# Allegro board AB9.brd (continued)
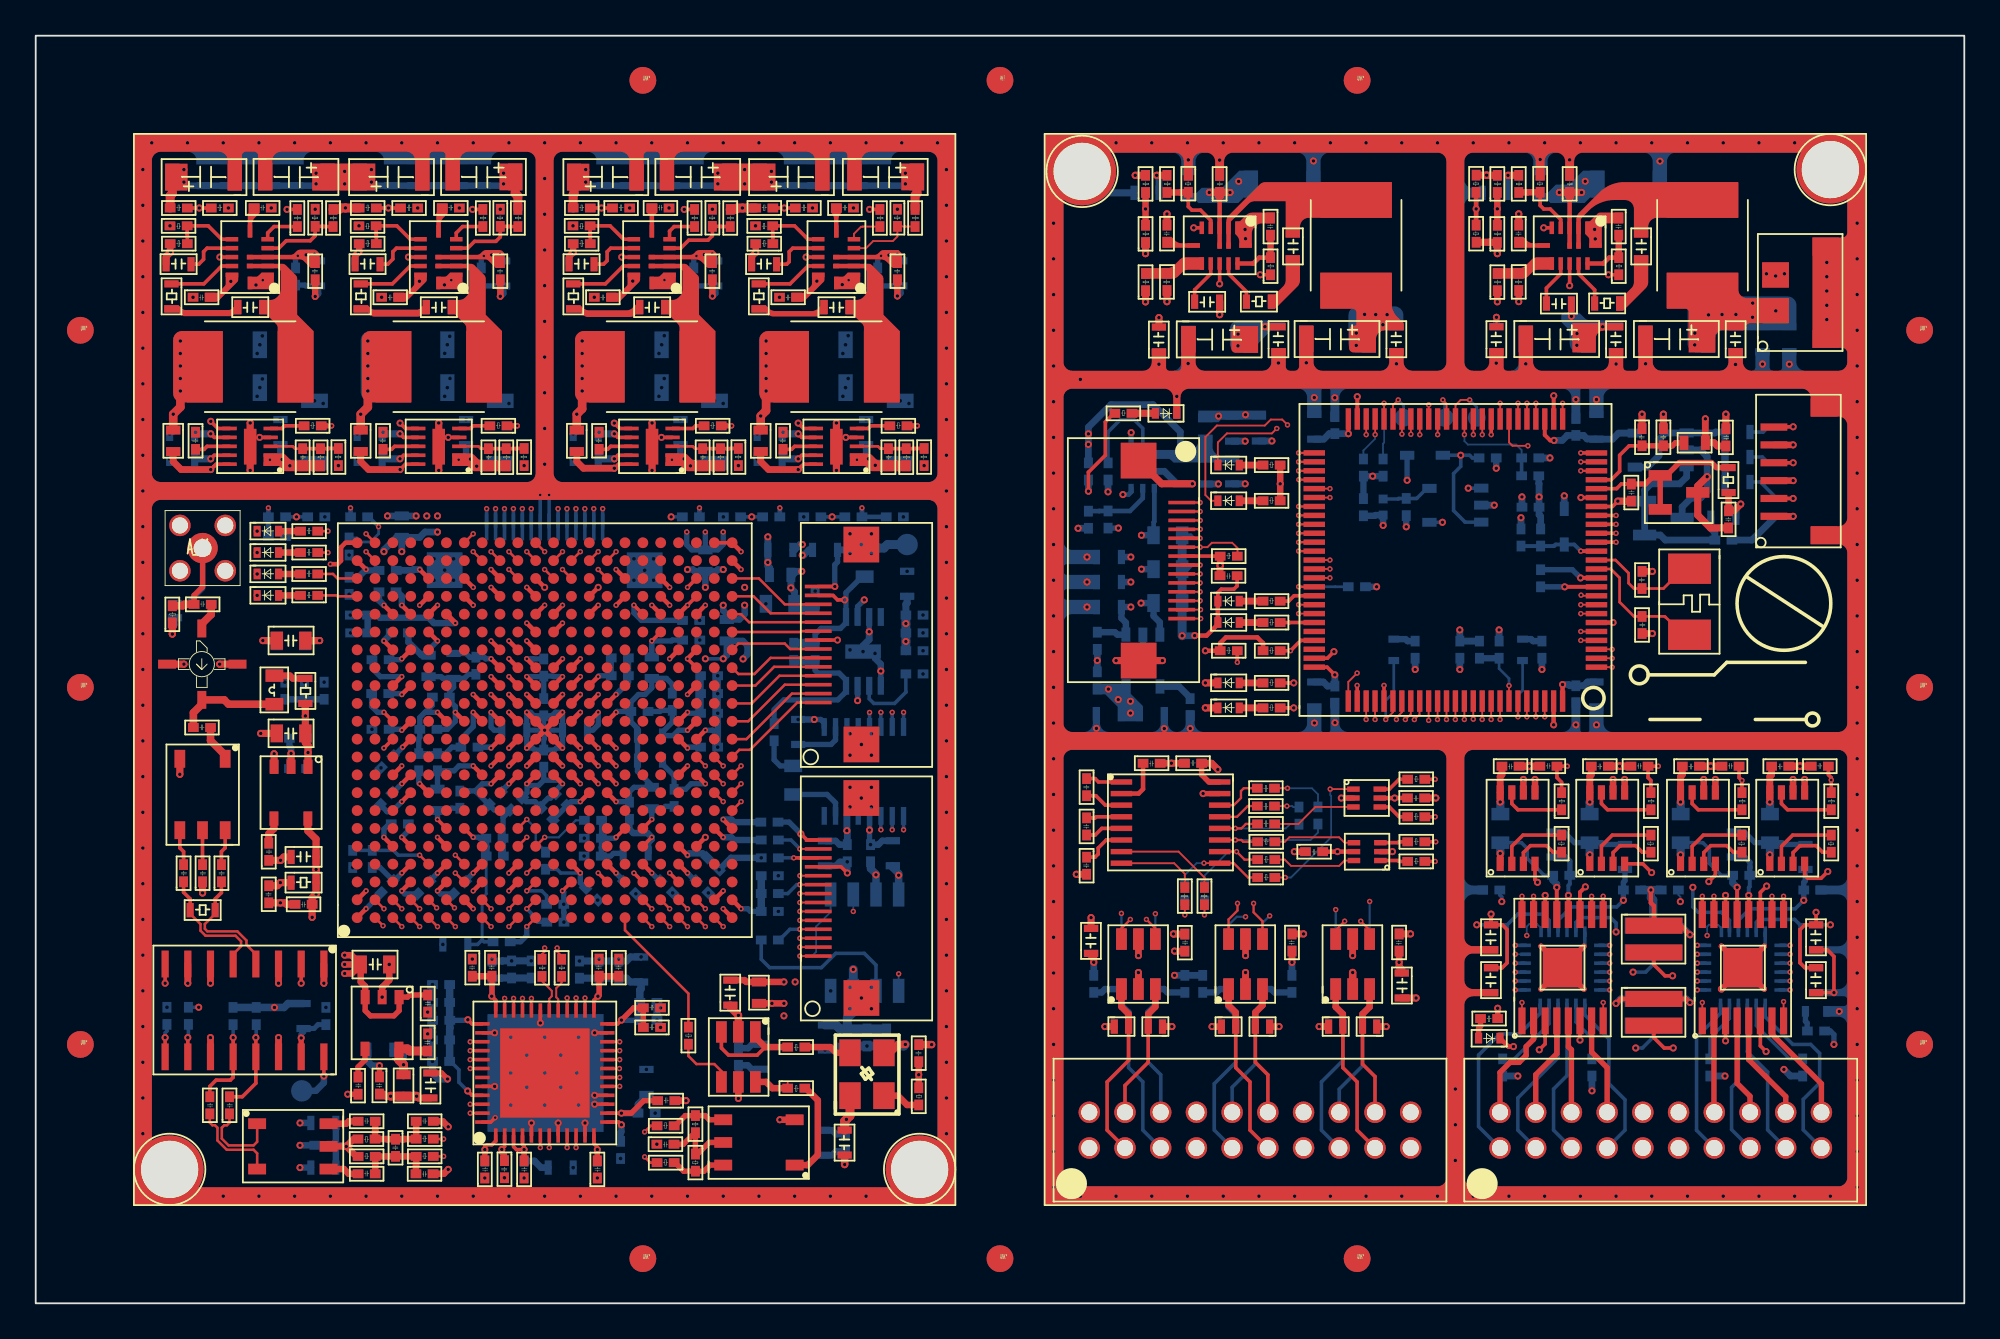
[diagram p0: board, top side]
## Placement (name value [footprint] x y rotation side) (continued)
B_C49  0.1uF  [C0402]  76.1 20.7 270 top
B_C50  2.2uF  [C0603]  81.9 17.3 90 top
B_C51  2.2uF  [C0603]  100.1 17.3 90 top
B_C52  10uF  [C0603]  76.1 18.6 270 top
B_C53  22uF/50V  [C1206]  90.8 61.9 180 bottom
B_C54  0.1uF/50V  [C0603]  84.66 63.49 270 bottom
B_C55  22uF/50V  [C1206]  71.4 61.9 180 bottom
B_C56  0.1uF/50V  [C0603]  64.95 63.49 270 bottom
B_C57  0.1uF/25V  [C0603]  80.9 62.6 0 bottom
B_C58  0.1uF/25V  [C0603]  61.4 62.6 0 bottom
B_C59  0.1uF/25V  [C0603]  97.8 53.2 90 bottom
B_C60  0.1uF/25V  [C0603]  96.3 53.2 90 bottom
B_C61  0.1uF/25V  [C0603]  94.79 53.2 90 bottom
B_C62  22uF/25V  [C1206]  90.3 54.79 0 bottom
B_C63  0.1uF/25V  [C0603]  88.1 53.2 90 bottom
B_C64  22uF/25V  [C1206]  83.6 54.79 0 bottom
B_C65  0.1uF/25V  [C0603]  75.79 53.2 90 bottom
B_C66  22uF/25V  [C1206]  71.3 54.79 0 bottom
B_C67  0.1uF/25V  [C0603]  69.19 53.2 90 bottom
B_C68  22uF/25V  [C1206]  64.7 54.79 0 bottom
B_C69  0.1uF/25V  [C0603]  81.4 53.2 90 bottom
B_C70  0.1uF  [C0402]  72.5 48.7 90 bottom
B_C71  10uF  [C0603]  87 48.3 90 bottom
B_C72  10uF  [C0603]  71.2 48.3 90 bottom
B_C73  0.1uF  [C0402]  86 48.6 90 bottom
B_C74  0.1uF/25V  [C0603]  68.1 48.2 90 bottom
B_C75  0.1uF/25V  [C0603]  66.6 48.19 90 bottom
B_C76  0.1uF  [C0402]  81.8 47.1 180 bottom
B_C77  10uF  [C0603]  66.6 45.8 90 bottom
B_C78  10uF  [C0603]  65.1 45.79 90 bottom
B_C79  0.1uF  [C0603]  64.5 47.4 270 bottom
B_C80  0.1uF  [C0402]  77 45.09 270 bottom
B_C81  0.1uF  [C0402]  74.1 44.1 90 bottom
B_C82  0.1uF  [C0402]  84.2 44.34 180 bottom
B_C83  10uF  [C0805]  64.4 42.4 180 bottom
B_C84  0.1uF  [C0402]  83.42 43.38 270 bottom
B_C85  0.1uF  [C0402]  95 42.5 180 bottom
B_C86  10uF  [C0603]  59.3 42.2 0 bottom
B_C87  10uF  [C0805]  64.4 40.5 180 bottom
B_C88  0.1uF  [C0402]  84.53 41.1 270 bottom
B_C89  10uF  [C0603]  59.3 40.8 0 bottom
B_C90  10uF  [C0805]  64.4 38.6 180 bottom
B_C91  1uF  [C0603]  60.9 38.6 180 bottom
B_C92  0.1uF  [C0402]  59.7 37.6 270 bottom
B_C93  0.1uF  [C0402]  80 37.1 270 bottom
B_C94  0.1uF  [C0402]  59.2 34.4 90 bottom
B_C95  0.1uF  [C0402]  86.5 34.6 270 bottom
B_C96  10uF  [C0603]  87.8 34.9 270 bottom
B_C97  0.1uF  [C0402]  72.5 33.6 90 bottom
B_C98  10uF  [C0603]  72 34.9 270 bottom
B_C99  0.01uF  [C0402]  64.4 32.9 90 bottom
B_C100  1uF  [C0603]  61.7 33.4 0 bottom
B_C101  1uF  [C0603]  60.9 32.6 180 bottom
B_C102  0.1uF  [C0402]  65.3 30 180 bottom
B_C103  10uF  [C0805]  96.5 25.6 90 bottom
B_C104  10uF  [C0805]  91.5 25.6 90 bottom
B_C105  10uF  [C0805]  86.4 25.6 90 bottom
B_C106  10uF  [C0805]  81.4 25.6 90 bottom
B_C107  4.7uF  [C0603]  94.7 24.9 90 bottom
B_C108  4.7uF  [C0603]  84.6 24.9 90 bottom
B_C109  10uF  [C0603]  98.7 24.2 90 bottom
B_C110  10uF  [C0603]  88.6 24.2 90 bottom
B_C111  0.1uF  [C0402]  96 23.72 180 bottom
B_C112  0.1uF  [C0402]  85.92 23.72 180 bottom
B_C113  0.1uF  [C0402]  99 23.4 0 bottom
B_C114  0.1uF  [C0402]  88.9 23.4 0 bottom
B_C115  2.2uF  [C0603]  100.1 21.3 270 bottom
B_C116  2.2uF  [C0603]  81.9 21.3 270 bottom
B_C117  10uF  [C0603]  58.7 19.5 90 bottom
B_C118  0.1uF  [C0402]  76.6 20.7 270 bottom
B_C119  0.1uF  [C0402]  70.6 20.7 270 bottom
B_C120  0.1uF  [C0402]  64.6 20.7 270 bottom
B_C121  2.2uF  [C0603]  100.1 18.9 270 bottom
B_C122  2.2uF  [C0603]  81.9 18.9 270 bottom
B_C123  10uF  [C0603]  76.9 18.6 270 bottom
B_D1  BLUE  [LED0402]  63.8 50.1 180 top
B_D2  LED  [LED0402]  66.3 46.7 0 top
B_D3  LED  [LED0402]  66.3 44.7 0 top
B_D4  LED  [LED0402]  66.3 39.08 0 top
B_D5  LED  [LED0402]  66.3 37.88 0 top
B_D6  LED  [LED0402]  66.3 34.5 0 top
B_D7  LED  [LED0402]  66.3 33.1 0 top
B_D8  ESD5451X  [DF1006]  60.3 15.2 0 top
B_D9  ESD5451X  [DF1006]  63.2 15.8 180 top
B_D10  ESD5451X  [DF1006]  66.3 15.2 0 top
B_D11  ESD5451X  [DF1006]  69.2 15.8 180 top
B_D12  ESD5451X  [DF1006]  72.3 15.2 0 top
B_D13  ESD5451X  [DF1006]  75.2 15.8 180 top
B_D14  BLUE  [LED0402]  81.9 15.1 180 top
B_D15  1N4148WT  [SOD-523F]  78.8 47.5 90 bottom
B_D16  1N4148WT  [SOD-523F]  85.6 44.5 180 bottom
B_D17  LED  [LED0402]  83.01 36.1 90 bottom
B_D18  LED  [LED0402]  75.8 36.1 90 bottom
B_D19  BLUE  [LED0402]  100.2 16.1 180 bottom
B_D20  ESD5451X  [DF1006]  75.2 15.2 180 bottom
B_D21  ESD5451X  [DF1006]  72.3 15.8 0 bottom
B_D22  ESD5451X  [DF1006]  69.2 15.2 180 bottom
B_D23  ESD5451X  [DF1006]  66.3 15.8 0 bottom
B_D24  ESD5451X  [DF1006]  63.2 15.2 180 bottom
B_D25  ESD5451X  [DF1006]  60.3 15.8 0 bottom
B_J1  HEADER-1X4  [SH1D0-SMD-VER-4P]  100.9 53.6 90 top
B_J2  HEADER1x6  [SH1D0-SMD-VER-6P]  100.8 42.6 90 top
B_J3  FPC-14P-0.5  [FPC-14P-0D5]  60.7 41.6 270 top
B_J4  CONNECTOR-2X10P  [PHB2D0MM-2X10P-VER]  59 10.7 0 top
B_J5  CONNECTOR-2X10P  [PHB2D0MM-2X10P-VER]  82 10.7 0 top
B_L1  4.7uH/2A  [CD54-IND-2P]  71.4 61.8 270 top
B_L2  4.7uH/2A  [CD54-IND-2P]  90.8 61.8 270 top
B_L3  BLM18SP102SN1D  [FB0603]  93.7 48.6 180 top
B_L4  BLM18SP102SN1D  [FB0603]  65.9 49.8 270 bottom
B_L5  MPZ1005D330ET000  [FB0402]  75.69 45.1 270 bottom
B_R1  100K  [R0402]  62.4 62.21 90 top
B_R2  DNP  [R0402]  63.6 62.21 90 top
B_R3  787K  [R0402]  64.3 63.2 270 top
B_R4  68K  [R0402]  80.41 63.2 270 top
B_R5  100K  [R0402]  82.1 62.21 90 top
B_R6  DNP  [R0402]  83.3 62.21 90 top
B_R7  499K  [R0402]  84 63.2 270 top
B_R8  DNP  [R0402]  62.4 59.41 90 top
B_R9  12K  [R0402]  80.41 60.4 270 top
B_R10  DNP  [R0402]  82.1 59.41 90 top
B_R11  100K  [R0402]  69.4 57.6 90 top
B_R12  100K  [R0402]  88.9 57.6 90 top
B_R13  40.2K  [R0402]  62.4 56.71 90 top
B_R14  294K  [R0402]  63.1 57.7 270 top
B_R15  40.2K  [R0402]  82.1 56.71 90 top
B_R16  182K  [R0402]  82.8 57.7 270 top
B_R17  0  [R0603]  67.7 55.7 0 top
B_R18  0  [R0603]  87.2 55.6 0 top
B_R19  4.7K  [R0402]  61.4 50.1 180 top
B_R20  1K  [R0402]  69.7 47.2 180 top
B_R21  560  [R0603]  95.2 45.31 90 top
B_R22  1K  [R0402]  69.7 45.2 180 top
B_R23  10K  [R0402]  67.3 42.1 180 top
B_R24  1K  [R0402]  69.7 39.58 180 top
B_R25  1K  [R0402]  69.7 38.38 180 top
B_R26  10K  [R0402]  67.3 36.8 180 top
B_R27  10K  [R0402]  69.7 36.8 180 top
B_R28  1K  [R0402]  69.7 35 180 top
B_R29  1K  [R0402]  69.7 33.6 180 top
B_R30  33  [R0402]  77.8 29.6 180 top
B_R31  DNP  [R0402]  68.4 28.6 0 top
B_R32  10  [R0402]  85.7 27.63 90 top
B_R33  10  [R0402]  90.7 27.63 90 top
B_R34  10  [R0402]  95.8 27.63 90 top
B_R35  10  [R0402]  100.8 27.63 90 top
B_R36  0  [R0402]  68.4 27.6 0 top
B_R37  33  [R0402]  77.8 27.5 180 top
B_R38  DNP  [R0402]  69.39 27.1 180 top
B_R39  DNP  [R0402]  69.4 26.1 180 top
B_R40  33  [R0402]  77.8 26.1 180 top
B_R41  2.05K,1%  [R0402]  85.2 26.23 270 top
B_R42  2.05K,1%  [R0402]  90.2 26.23 270 top
B_R43  2.05K,1%  [R0402]  95.3 26.23 270 top
B_R44  2.05K,1%  [R0402]  100.3 26.23 270 top
B_R45  DNP  [R0402]  69.4 25.1 180 top
B_R46  33  [R0402]  77.8 25 180 top
B_R47  DNP  [R0402]  69.4 24.1 180 top
B_R48  DNP  [R0402]  64.1 23.3 270 top
B_R49  0  [R0402]  65.2 23.3 270 top
B_R50  0.47  [R3216]  89 19.2 0 top
B_R51  0.47  [R3216]  89 15.1 0 top
B_R52  6.8K  [R0402]  80.9 15.7 0 top
B_R53  1K,1%  [R0603]  94.5 49.2 0 bottom
B_R54  1K,1%  [R0603]  94.5 47.8 0 bottom
B_R55  0  [R0402]  83.2 47.6 0 bottom
B_R56  10K  [R0402]  75.7 47.3 270 bottom
B_R57  10K  [R0402]  74.6 47.3 270 bottom
B_R58  51.1K  [R0402]  59.8 46.1 90 bottom
B_R59  DNP  [R0402]  58.7 46.1 90 bottom
B_R60  DNP  [R0402]  83.2 46.6 0 bottom
B_R61  1K,1%  [R0603]  94.5 46.4 0 bottom
B_R62  560  [R0603]  95.31 43.6 180 bottom
B_R63  51.1K  [R0402]  60.3 44.39 270 bottom
B_R64  40.2K  [R0402]  58.7 43.4 90 bottom
B_R65  10K  [R0402]  84.53 43.38 270 bottom
B_R66  10K  [R0402]  73.49 40.38 0 bottom
B_R67  1K  [R0402]  84.6 37.1 270 bottom
B_R68  0  [R0402]  82.2 37.1 270 bottom
B_R69  DNP  [R0402]  81.1 37.1 270 bottom
B_R70  1K  [R0402]  77.5 37.1 270 bottom
B_R71  0  [R0402]  72.06 27.82 270 bottom
B_R72  0  [R0402]  70.5 26.83 90 bottom
B_R73  0  [R0402]  92 22.9 180 bottom
B_R74  0  [R0402]  82 22.9 180 bottom
B_R75  0  [R0402]  65.21 22.52 90 bottom
B_R76  0  [R0402]  64.59 23.51 270 bottom
B_R77  0.47  [R3216]  92.2 19.2 180 bottom
B_R78  10K  [R0402]  70.1 17.4 90 bottom
B_R79  10K  [R0402]  65.1 17.4 90 bottom
B_R80  10K  [R0402]  64.1 17.4 90 bottom
B_R81  10K  [R0402]  59 17.4 90 bottom
B_R82  0.47  [R3216]  92.2 15.1 180 bottom
B_R83  6.8K  [R0402]  99.2 15.5 0 bottom
B_R84  0  [R0402]  99.2 13.7 270 bottom
B_R85  0  [R0402]  94 13.7 270 bottom
B_R86  0  [R0402]  87.4 13.7 270 bottom
B_R87  0  [R0402]  82.4 13.7 270 bottom
B_TP1  T POINT R  [SCREW-M3]  100.5 63.5 0 top
B_TP2  T POINT R  [SCREW-M3]  58.6 63.4 0 top
B_TP5  T POINT R  [TP_SMD_CIR_1D0]  80.7 49.6 180 bottom
B_TP6  T POINT R  [TP_SMD_CIR_1D0]  76.6 49.6 180 bottom
B_TP7  T POINT R  [TP_SMD_CIR_1D0]  78.9 49.6 180 bottom
B_U1  MP2326GD  [QFN-14]  66.3 59.25 270 top
B_U2  MP2326GD  [QFN-14]  85.9 59.25 270 top
B_U3  TL431AIDBZT  [SOT-23-3]  90.67 43.9 0 top
B_U4  STM32F103VET6  [LQFP-100]  79.5 41.63 90 top
B_U5  SN74LVC2G34DRL  [SOT-6]  73.79 28.8 0 top
B_U6  SP3232EEY  [TSSOP-16]  66.3 29.2 270 top
B_U7  AD8226ARMZ  [MSOP-8]  81.38 24.03 0 top
B_U8  AD8226ARMZ  [MSOP-8]  86.4 24.03 0 top
B_U9  AD8226ARMZ  [MSOP-8]  91.48 24.03 0 top
B_U10  AD8226ARMZ  [MSOP-8]  96.48 24.03 0 top
B_U11  SN74LVC2G34DRL  [SOT-6]  75.3 24.8 180 top
B_U12  SN74LVC2G34DBVR  [SOT-23-6]  60.8 17.6 90 top
B_U13  SN74LVC2G34DBVR  [SOT-23-6]  66.8 17.6 90 top
B_U14  SN74LVC2G34DBVR  [SOT-23-6]  72.8 17.6 90 top
B_U15  DRV8848PWPR  [HTSSOP-16]  85.5 18.8 90 top
B_U16  DRV8848PWPR  [HTSSOP-16]  95.6 18.8 90 top
B_U17  MCP6001T-I/OT  [SOT-23-5]  91 47.8 270 bottom
B_U18  TPS74601PBQWDRVRQ1  [WSON-6]  62 46.6 90 bottom
B_U19  MCP6001T-I/OT  [SOT-23-5]  79.5 44.7 270 bottom
B_U20  TL431AIDBZT  [SOT-23-3]  89.8 45.5 0 bottom
B_U21  SGM2028-3.3  [SOT-23-5]  62 36 0 bottom
B_U22  SN74LVC2G34DBVR  [SOT-23-6]  74.7 17.6 90 bottom
B_U23  SN74LVC2G34DBVR  [SOT-23-6]  68.7 17.6 90 bottom
B_U24  SN74LVC2G34DBVR  [SOT-23-6]  62.7 17.6 90 bottom
B_U25  DRV8846RGER  [VQFN-24]  95.6 18.8 90 bottom
B_U26  DRV8846RGER  [VQFN-24]  85.5 18.8 90 bottom
B_Y1  8MHz  [CRY5032]  91.1 41.8 270 top
NOREF  -  []  28.74 17.85 90 top
NOREF#2  -  []  46.76 60.05 0 top
NOREF#3  -  []  26.96 4.95 0 top
NOREF#4  -  []  92.58 25.76 90 top
NOREF#5  -  []  65.7 22.83 0 top
NOREF#6  -  []  22.51 11.4 90 top
NOREF#7  -  []  83.75 42.91 0 top
NOREF#8  -  []  46.42 57.7 0 top
NOREF#9  -  []  63.3 31.81 0 top
NOREF#10  -  []  22.09 62.5 90 top
NOREF#11  -  []  83.77 61.9 90 top
NOREF#12  -  []  19.33 34.7 90 top
NOREF#13  -  []  20.98 23.31 90 top
NOREF#14  -  []  17.69 13 90 top
NOREF#15  -  []  20.79 62.5 0 top
NOREF#16  -  []  86.39 55.6 90 top
NOREF#17  -  []  64.8 62.73 0 top
NOREF#18  -  []  79.4 25.6 90 top
NOREF#19  -  []  61.08 45.01 90 top
NOREF#20  -  []  20.98 23.31 90 top
NOREF#21  -  []  24.32 7.06 90 top
NOREF#22  -  []  74.92 38.96 90 top
NOREF#23  -  []  27.28 34.67 0 top
NOREF#24  -  []  57.89 19.5 90 top
NOREF#25  -  []  23.98 4.96 90 top
NOREF#26  -  []  72.01 46.7 90 top
NOREF#27  -  []  18.13 42.7 0 top
NOREF#28  -  []  7.75 22.51 0 top
NOREF#29  -  []  87.97 24.36 90 top
NOREF#30  -  []  26.96 8.44 0 top
NOREF#31  -  []  39.49 46.1 0 top
NOREF#32  -  []  98.5 19.7 90 top
NOREF#33  -  []  38.49 18.2 0 top
NOREF#34  -  []  43.91 32.8 90 top
NOREF#35  -  []  31.06 4.95 90 top
NOREF#36  -  []  69.87 33.58 0 top
NOREF#37  -  []  73.04 38.96 0 top
NOREF#38  -  []  9.68 8.55 0 top
NOREF#39  -  []  88.53 30.47 90 top
NOREF#40  -  []  36.96 48.33 0 top
NOREF#41  -  []  80.5 40.63 90 top
NOREF#42  -  []  34.05 60.96 90 top
NOREF#43  -  []  90.1 44.93 0 top
NOREF#44  -  []  71.3 54.82 0 top
NOREF#45  -  []  31.16 17.86 0 top
NOREF#46  -  []  26.96 4.95 90 top
NOREF#47  -  []  37.96 48.33 0 top
NOREF#48  -  []  63.96 22.75 0 top
NOREF#49  -  []  85.6 42.5 90 top
NOREF#50  -  []  62.8 58.33 0 top
NOREF#51  -  []  63.3 31.81 0 top
NOREF#52  -  []  75.3 25.3 90 top
NOREF#53  -  []  15.97 38.48 0 top
NOREF#54  -  []  36.14 27.37 90 top
NOREF#55  -  []  40.09 42.8 0 top
NOREF#56  -  []  17.78 58.61 0 top
NOREF#57  -  []  36.2 8.52 90 top
NOREF#58  -  []  43.65 25.56 90 top
NOREF#59  -  []  90.97 44.47 0 top
NOREF#60  -  []  29.7 55.6 0 top
NOREF#61  -  []  46.76 60.05 0 top
NOREF#62  -  []  92.2 16.8 90 top
NOREF#63  -  []  60.8 29.2 0 top
NOREF#64  -  []  19.19 9.02 0 top
NOREF#65  -  []  44.6 8.7 0 top
NOREF#66  -  []  28.15 60.82 90 top
NOREF#67  -  []  21.65 21.75 0 top
NOREF#68  -  []  28.25 24.66 90 top
NOREF#69  -  []  59.24 23.57 0 top
NOREF#70  -  []  77.62 38.19 0 top
NOREF#71  -  []  40.09 55.6 0 top
NOREF#72  -  []  43.19 62.5 0 top
NOREF#73  -  []  12.4 54.5 0 top
NOREF#74  -  []  81.97 48.52 0 top
NOREF#75  -  []  63.43 30.64 90 top
NOREF#76  -  []  10.55 58.18 90 top
NOREF#77  -  []  31.84 6.56 90 top
NOREF#78  -  []  80.91 62.73 0 top
NOREF#79  -  []  38.74 46.45 90 top
NOREF#80  -  []  13.44 25.45 0 top
NOREF#81  -  []  41.8 49.11 90 top
NOREF#82  -  []  41.1 34.91 90 top
NOREF#83  -  []  24.96 48.33 0 top
NOREF#84  -  []  38.5 9.01 90 top
NOREF#85  -  []  30.26 27.22 0 top
NOREF#86  -  []  36 24.8 90 top
NOREF#87  -  []  11.3 36.45 0 top
NOREF#88  -  []  71.3 56.39 0 top
NOREF#89  -  []  22.44 8.03 0 top
NOREF#90  -  []  101.9 26.54 90 top
NOREF#91  -  []  16.2 15.29 90 top
NOREF#92  -  []  73.79 28.3 90 top
NOREF#93  -  []  36.77 34.76 0 top
NOREF#94  -  []  67.48 16.31 90 top
NOREF#95  -  []  41.73 59.96 90 top
NOREF#96  -  []  48.51 60.82 0 top
NOREF#97  -  []  89.8 49.31 90 top
NOREF#98  -  []  94.79 53.2 90 top
NOREF#99  -  []  19.4 10.61 90 top
NOREF#100  -  []  44.89 8.2 90 top
NOREF#101  -  []  35.77 36.76 90 top
NOREF#102  -  []  69.57 22.68 0 top
NOREF#103  -  []  69.2 14.2 0 top
NOREF#104  -  []  8.8 57.8 90 top
NOREF#105  -  []  9.68 8.55 0 top
NOREF#106  -  []  47.05 22.9 0 top
NOREF#107  -  []  86.64 34.77 90 top
NOREF#108  -  []  15.94 21.96 90 top
NOREF#109  -  []  8.56 47.37 0 top
NOREF#110  -  []  74.6 14.2 90 top
NOREF#111  -  []  28.8 23.21 0 top
NOREF#112  -  []  22.1 25.8 0 top
NOREF#113  -  []  67.47 35.38 0 top
NOREF#114  -  []  41.65 13.96 0 top
NOREF#115  -  []  17.55 26.75 0 top
NOREF#116  -  []  34.47 32.76 0 top
NOREF#117  -  []  19.4 17.15 0 top
NOREF#118  -  []  80.6 53.2 90 top
NOREF#119  -  []  60.02 23.57 90 top
NOREF#120  -  []  25.04 36.37 90 top
NOREF#121  -  []  46.23 16.7 0 top
NOREF#122  -  []  47.59 24.41 90 top
NOREF#123  -  []  33.72 55.39 90 top
NOREF#124  -  []  36.46 60.05 0 top
NOREF#125  -  []  69.57 24.68 0 top
NOREF#126  -  []  83.82 36.63 0 top
NOREF#127  -  []  33.72 55.39 90 top
NOREF#128  -  []  61.08 42.31 90 top
NOREF#129  -  []  43.53 13.96 90 top
NOREF#130  -  []  31.77 37.32 0 top
NOREF#131  -  []  39.85 59.96 0 top
NOREF#132  -  []  48.77 43.66 0 top
NOREF#133  -  []  38.09 26.12 0 top
NOREF#134  -  []  32.86 25.05 90 top
NOREF#135  -  []  19.25 60.18 0 top
NOREF#136  -  []  72.9 14.2 90 top
NOREF#137  -  []  19.49 62.5 0 top
NOREF#138  -  []  17.17 37.94 90 top
NOREF#139  -  []  93.5 54.79 90 top
NOREF#140  -  []  81.32 55.62 0 top
NOREF#141  -  []  96.75 31.25 0 top
NOREF#142  -  []  98.5 18.11 0 top
NOREF#143  -  []  20.95 20.5 0 top
NOREF#144  -  []  16.3 35.1 90 top
NOREF#145  -  []  19.38 57.8 90 top
NOREF#146  -  []  20.16 16.46 90 top
NOREF#147  -  []  16.2 41.59 90 top
NOREF#148  -  []  43.05 28.3 90 top
NOREF#149  -  []  25.96 48.33 0 top
NOREF#150  -  []  37.9 43.2 0 top
NOREF#151  -  []  16.54 33.37 90 top
NOREF#152  -  []  11.59 62.5 0 top
NOREF#153  -  []  31.77 36.54 90 top
NOREF#154  -  []  23.65 26.75 0 top
NOREF#155  -  []  38.96 46.46 0 top
NOREF#156  -  []  14.12 59.21 0 top
NOREF#157  -  []  50.38 60.82 90 top
NOREF#158  -  []  71.44 25.68 90 top
NOREF#159  -  []  29.77 58.61 0 top
NOREF#160  -  []  32.36 6.05 90 top
NOREF#161  -  []  69.87 32.18 0 top
NOREF#162  -  []  69.87 36.96 0 top
NOREF#163  -  []  22.9 54.5 0 top
NOREF#164  -  []  92.9 47.21 0 top
NOREF#165  -  []  40.69 38.55 90 top
NOREF#166  -  []  61.06 34.55 90 top
NOREF#167  -  []  15.6 52.9 90 top
NOREF#168  -  []  37.19 10.05 0 top
NOREF#169  -  []  63.5 55.62 90 top
NOREF#170  -  []  71.45 24.68 90 top
NOREF#171  -  []  63.18 21.14 0 top
NOREF#172  -  []  64.95 64.3 0 top
NOREF#173  -  []  23.36 27.27 0 top
NOREF#174  -  []  17.8 55.6 0 top
NOREF#175  -  []  14.37 41.66 90 top
NOREF#176  -  []  24.69 64.1 90 top
NOREF#177  -  []  63.3 31.81 90 top
NOREF#178  -  []  16.54 33.37 90 top
NOREF#179  -  []  30.27 28.22 0 top
NOREF#180  -  []  48.27 38.94 90 top
NOREF#181  -  []  8.41 39.54 0 top
NOREF#182  -  []  30.27 28.22 0 top
NOREF#183  -  []  89.45 20.85 0 top
NOREF#184  -  []  27.51 20.22 0 top
NOREF#185  -  []  82.33 15.56 90 top
NOREF#186  -  []  69.35 40.68 90 top
NOREF#187  -  []  92.9 47.21 0 top
NOREF#188  -  []  69.57 22.68 0 top
NOREF#189  -  []  63.81 23.04 0 top
NOREF#190  -  []  84.66 64.3 0 top
NOREF#191  -  []  19.25 58.18 0 top
NOREF#192  -  []  88.18 42.87 0 top
NOREF#193  -  []  46.23 16.7 0 top
NOREF#194  -  []  61.7 53.99 0 top
NOREF#195  -  []  97.88 15.82 90 top
NOREF#196  -  []  75.8 14.8 90 top
NOREF#197  -  []  71.3 54.82 0 top
NOREF#198  -  []  69.2 14.2 0 top
NOREF#199  -  []  5 38.5 0 top
NOREF#200  -  []  26.37 24.66 0 top
NOREF#201  -  []  97.45 28.91 90 top
NOREF#202  -  []  88.6 50.09 0 top
NOREF#203  -  []  22.71 6.86 90 top
NOREF#204  -  []  17.16 40.24 0 top
NOREF#205  -  []  29.1 18.67 0 top
NOREF#206  -  []  24.75 24.88 0 top
NOREF#207  -  []  21.33 37.16 90 top
NOREF#208  -  []  43.53 13.96 90 top
NOREF#209  -  []  85.41 23.3 90 top
NOREF#210  -  []  48.36 48.33 0 top
NOREF#211  -  []  35.77 36.76 0 top
NOREF#212  -  []  38.8 47.2 90 top
NOREF#213  -  []  89 16.8 0 top
NOREF#214  -  []  23.69 48 90 top
NOREF#215  -  []  8.67 60.18 0 top
NOREF#216  -  []  17.78 60.82 90 top
NOREF#217  -  []  46.52 6.45 90 top
NOREF#218  -  []  90.3 54.82 0 top
NOREF#219  -  []  96.48 29.18 0 top
NOREF#220  -  []  48.33 17.5 90 top
NOREF#221  -  []  60.02 25.77 90 top
NOREF#222  -  []  71.75 35.38 90 top
NOREF#223  -  []  41.13 20.6 0 top
NOREF#224  -  []  40.25 42.88 0 top
NOREF#225  -  []  26.39 59.21 90 top
NOREF#226  -  []  21.77 55.39 90 top
NOREF#227  -  []  13.44 25.45 0 top
NOREF#228  -  []  26.32 31.31 90 top
NOREF#229  -  []  34.3 20.31 0 top
NOREF#230  -  []  96.75 31.25 0 top
NOREF#231  -  []  63.5 58.32 90 top
NOREF#232  -  []  20.65 22.39 90 top
NOREF#233  -  []  47.14 24.27 90 top
NOREF#234  -  []  73.92 33.15 90 top
NOREF#235  -  []  28.25 24.66 90 top
NOREF#236  -  []  76.36 29.48 0 top
NOREF#237  -  []  43.68 60.18 0 top
NOREF#238  -  []  86.25 16.77 0 top
NOREF#239  -  []  97.45 28.91 90 top
NOREF#240  -  []  83.53 30.47 90 top
NOREF#241  -  []  83.75 40.63 0 top
NOREF#242  -  []  9.87 22.51 0 top
NOREF#243  -  []  14.77 45.22 0 top
NOREF#244  -  []  63.87 30.64 0 top
NOREF#245  -  []  75.96 22.75 0 top
NOREF#246  -  []  69.87 38.16 0 top
NOREF#247  -  []  64.83 30.5 90 top
NOREF#248  -  []  21.76 16.68 0 top
NOREF#249  -  []  72.3 14.2 0 top
NOREF#250  -  []  24.2 26.2 90 top
NOREF#251  -  []  41.46 47.37 0 top
NOREF#252  -  []  47.59 24.41 90 top
NOREF#253  -  []  66.6 47.4 0 top
NOREF#254  -  []  69.35 35.38 90 top
NOREF#255  -  []  25.16 17.86 90 top
NOREF#256  -  []  35.32 60.18 90 top
NOREF#257  -  []  22 19.6 90 top
NOREF#258  -  []  40.17 23.56 0 top
NOREF#259  -  []  49.06 13.07 0 top
NOREF#260  -  []  81.9 18.09 0 top
NOREF#261  -  []  81.42 36.63 0 top
NOREF#262  -  []  35.38 12.45 0 top
NOREF#263  -  []  30.2 8.01 0 top
NOREF#264  -  []  49.84 10.65 90 top
NOREF#265  -  []  26.63 24.88 90 top
NOREF#266  -  []  8.56 47.37 90 top
NOREF#267  -  []  63.69 45.8 0 top
NOREF#268  -  []  8.81 22.51 0 top
NOREF#269  -  []  16.91 8.01 0 top
NOREF#270  -  []  33.44 60.18 0 top
NOREF#271  -  []  14.31 46.18 0 top
NOREF#272  -  []  94.57 25.14 0 top
NOREF#273  -  []  70.01 23.95 90 top
NOREF#274  -  []  65.48 29.49 90 top
NOREF#275  -  []  74.92 38.96 90 top
NOREF#276  -  []  36.04 34.63 90 top
NOREF#277  -  []  80.5 40.63 90 top
NOREF#278  -  []  20.65 29.39 0 top
NOREF#279  -  []  8.35 55.96 0 top
NOREF#280  -  []  24.32 8.03 90 top
NOREF#281  -  []  87.81 21.02 90 top
NOREF#282  -  []  10.23 55.96 90 top
NOREF#283  -  []  24.32 8.03 90 top
NOREF#284  -  []  86.39 57.2 0 top
NOREF#285  -  []  77.39 53.2 90 top
NOREF#286  -  []  8.99 62.5 0 top
NOREF#287  -  []  16.4 7.52 90 top
NOREF#288  -  []  26.39 59.21 90 top
NOREF#289  -  []  10.14 10.15 90 top
NOREF#290  -  []  8.37 32.64 0 top
NOREF#291  -  []  27.04 19.36 90 top
NOREF#292  -  []  38.1 52.9 90 top
NOREF#293  -  []  36.77 34.76 0 top
NOREF#294  -  []  8.41 38.76 90 top
NOREF#295  -  []  19.25 60.18 0 top
NOREF#296  -  []  47.87 56.87 90 top
NOREF#297  -  []  74.74 45.53 0 top
NOREF#298  -  []  83.77 62.68 0 top
NOREF#299  -  []  59.3 43.8 0 top
NOREF#300  -  []  45.79 62.5 0 top
NOREF#301  -  []  44.1 42.61 90 top
NOREF#302  -  []  32.69 62.5 90 top
NOREF#303  -  []  37.73 29.8 0 top
NOREF#304  -  []  44.51 6.59 90 top
NOREF#305  -  []  63.15 38.5 90 top
NOREF#306  -  []  94.57 24.36 90 top
NOREF#307  -  []  101.7 18.09 90 top
NOREF#308  -  []  36.77 34.76 90 top
NOREF#309  -  []  17.01 20.6 0 top
NOREF#310  -  []  16.2 42.37 0 top
NOREF#311  -  []  66.55 63.49 90 top
NOREF#312  -  []  66.78 39.4 90 top
NOREF#313  -  []  42.8 60.7 0 top
NOREF#314  -  []  8.02 16.12 0 top
NOREF#315  -  []  20.34 14.25 90 top
NOREF#316  -  []  96.91 43.6 90 top
NOREF#317  -  []  14.37 42.44 0 top
NOREF#318  -  []  95.1 13.23 90 top
NOREF#319  -  []  80.91 59.93 0 top
NOREF#320  -  []  41.46 58.18 0 top
NOREF#321  -  []  36 24.8 90 top
NOREF#322  -  []  60.8 27.25 90 top
NOREF#323  -  []  40.17 25.34 90 top
NOREF#324  -  []  35.11 18.98 0 top
NOREF#325  -  []  64.4 40.4 90 top
NOREF#326  -  []  21.65 21.75 90 top
NOREF#327  -  []  86.38 62.73 90 top
NOREF#328  -  []  20.79 62.5 90 top
NOREF#329  -  []  20.6 16.19 0 top
NOREF#330  -  []  49.06 13.07 90 top
NOREF#331  -  []  38.1 50.5 90 top
NOREF#332  -  []  70.01 23.95 0 top
NOREF#333  -  []  18.38 14.51 90 top
NOREF#334  -  []  77.97 23.58 0 top
NOREF#335  -  []  41.13 21.6 90 top
NOREF#336  -  []  43.1 34.4 0 top
NOREF#337  -  []  94.68 24.03 90 top
NOREF#338  -  []  75.3 25.3 90 top
NOREF#339  -  []  64.7 54.8 0 top
NOREF#340  -  []  86.8 54.79 90 top
NOREF#341  -  []  62.18 45.01 90 top
NOREF#342  -  []  37.73 29.8 90 top
NOREF#343  -  []  84.22 60.57 90 top
NOREF#344  -  []  42.03 25.78 90 top
NOREF#345  -  []  85.7 25.76 0 top
NOREF#346  -  []  64.52 60.57 90 top
NOREF#347  -  []  36.45 43.66 90 top
NOREF#348  -  []  14.19 62.5 90 top
NOREF#349  -  []  19.06 47.37 90 top
NOREF#350  -  []  33.12 58.18 90 top
NOREF#351  -  []  40.09 55.6 0 top
NOREF#352  -  []  26.96 4.95 90 top
NOREF#353  -  []  15.98 33.36 90 top
NOREF#354  -  []  25.16 17.86 0 top
NOREF#355  -  []  82.17 22.76 0 top
NOREF#356  -  []  45.79 62.5 90 top
NOREF#357  -  []  27.51 20.22 90 top
NOREF#358  -  []  75 52.39 90 top
NOREF#359  -  []  22.09 62.5 0 top
NOREF#360  -  []  11.59 62.5 90 top
NOREF#361  -  []  25.16 17.86 90 top
NOREF#362  -  []  25.86 6.57 90 top
NOREF#363  -  []  94.05 22.76 90 top
NOREF#364  -  []  84.6 23.3 0 top
NOREF#365  -  []  23.69 48 90 top
NOREF#366  -  []  63 62.6 90 top
NOREF#367  -  []  86.38 62.73 90 top
NOREF#368  -  []  12.89 64.1 90 top
NOREF#369  -  []  47.87 56.87 0 top
NOREF#370  -  []  88.5 13.23 90 top
NOREF#371  -  []  17.36 22.35 0 top
NOREF#372  -  []  38.5 7.74 0 top
NOREF#373  -  []  77.97 28.18 0 top
NOREF#374  -  []  17.69 13 90 top
NOREF#375  -  []  13.18 14.51 90 top
NOREF#376  -  []  17.58 8.81 0 top
NOREF#377  -  []  40.09 42.8 0 top
NOREF#378  -  []  59.3 38.6 90 top
NOREF#379  -  []  89.7 53.2 90 top
NOREF#380  -  []  70.01 23.95 0 top
NOREF#381  -  []  10.55 60.18 90 top
NOREF#382  -  []  12.92 34.33 90 top
NOREF#383  -  []  92.9 49.2 90 top
NOREF#384  -  []  44.85 42.88 0 top
NOREF#385  -  []  18.1 26.2 90 top
NOREF#386  -  []  73.79 28.3 90 top
NOREF#387  -  []  69.19 54.01 0 top
NOREF#388  -  []  82.75 45.18 0 top
NOREF#389  -  []  64.6 22.83 0 top
NOREF#390  -  []  71.2 46.7 0 top
NOREF#391  -  []  17.9 48.29 0 top
NOREF#392  -  []  31.84 6.56 90 top
NOREF#393  -  []  92.9 47.8 90 top
NOREF#394  -  []  36.75 10.26 90 top
NOREF#395  -  []  99.68 24.03 90 top
NOREF#396  -  []  22.73 14.5 90 top
NOREF#397  -  []  69.57 23.68 0 top
NOREF#398  -  []  29.04 29.16 0 top
NOREF#399  -  []  43.1 34.4 0 top
NOREF#400  -  []  14.2 23.97 0 top
NOREF#401  -  []  15.63 28.78 90 top
NOREF#402  -  []  17.16 37.38 0 top
NOREF#403  -  []  42.4 10.91 0 top
NOREF#404  -  []  87.16 48.54 0 top
NOREF#405  -  []  41.46 60.18 0 top
NOREF#406  -  []  81.62 13.23 0 top
NOREF#407  -  []  11.25 34.21 0 top
NOREF#408  -  []  100.43 21.98 90 top
NOREF#409  -  []  71.75 45.78 90 top
NOREF#410  -  []  75 52.39 90 top
NOREF#411  -  []  95.02 26.54 0 top
NOREF#412  -  []  63.15 36.6 90 top
NOREF#413  -  []  73.5 33.73 0 top
NOREF#414  -  []  9.68 8.55 90 top
NOREF#415  -  []  59.3 38.6 90 top
NOREF#416  -  []  35.9 19.5 90 top
NOREF#417  -  []  37.81 8.77 90 top
NOREF#418  -  []  33.12 60.18 90 top
NOREF#419  -  []  13.98 34.61 0 top
NOREF#420  -  []  49.06 13.07 0 top
NOREF#421  -  []  69.83 27.46 90 top
NOREF#422  -  []  38.09 26.12 0 top
NOREF#423  -  []  16.5 14.51 0 top
NOREF#424  -  []  18.13 42.7 90 top
NOREF#425  -  []  35.36 27.37 0 top
NOREF#426  -  []  49.06 12.53 0 top
NOREF#427  -  []  8.94 59.96 90 top
NOREF#428  -  []  37.5 56.87 90 top
NOREF#429  -  []  8.35 55.96 0 top
NOREF#430  -  []  67.65 61.12 90 top
NOREF#431  -  []  47.05 22.9 0 top
NOREF#432  -  []  47.6 47.2 90 top
NOREF#433  -  []  81.9 20.49 0 top
NOREF#434  -  []  71 25.74 0 top
NOREF#435  -  []  32.01 16.4 0 top
NOREF#436  -  []  22.28 8.73 90 top
NOREF#437  -  []  96.8 45.31 90 top
NOREF#438  -  []  20.79 62.5 90 top
NOREF#439  -  []  14.7 35.91 0 top
NOREF#440  -  []  48.27 36.16 0 top
NOREF#441  -  []  90 56.51 90 top
NOREF#442  -  []  92.9 46.4 90 top
NOREF#443  -  []  47.09 62.5 90 top
NOREF#444  -  []  31.77 37.32 0 top
NOREF#445  -  []  26.1 52.9 90 top
NOREF#446  -  []  37.2 47.2 90 top
NOREF#447  -  []  40.19 14.61 90 top
NOREF#448  -  []  83.85 47.74 90 top
NOREF#449  -  []  15.8 23.16 90 top
NOREF#450  -  []  16.56 46.46 0 top
NOREF#451  -  []  18.95 30.2 90 top
NOREF#452  -  []  81.4 54.01 0 top
NOREF#453  -  []  30.26 27.22 0 top
NOREF#454  -  []  30.25 23.88 0 top
NOREF#455  -  []  57.5 28.93 90 top
NOREF#456  -  []  74.69 45.6 0 top
NOREF#457  -  []  49.2 47.2 90 top
NOREF#458  -  []  7.06 59.96 0 top
NOREF#459  -  []  61.08 45.01 90 top
NOREF#460  -  []  91.48 29.18 0 top
NOREF#461  -  []  30.27 27.44 90 top
NOREF#462  -  []  45.06 12.35 0 top
NOREF#463  -  []  76.8 46.83 90 top
NOREF#464  -  []  13.29 48 90 top
NOREF#465  -  []  67.48 16.31 90 top
NOREF#466  -  []  43.26 41.95 0 top
NOREF#467  -  []  47.59 24.41 0 top
NOREF#468  -  []  76.9 17 0 top
NOREF#469  -  []  95.57 28.91 0 top
NOREF#470  -  []  31.51 59.96 90 top
NOREF#471  -  []  22.11 32.85 0 top
NOREF#472  -  []  75.79 54.01 0 top
NOREF#473  -  []  84.92 26.54 0 top
NOREF#474  -  []  90.1 43.03 90 top
NOREF#475  -  []  29.63 59.96 0 top
NOREF#476  -  []  65.48 29.49 90 top
NOREF#477  -  []  19.1 23.31 0 top
NOREF#478  -  []  7.5 39.3 0 top
NOREF#479  -  []  41.13 21.6 0 top
NOREF#480  -  []  28.35 59.21 90 top
NOREF#481  -  []  92.2 12.7 90 top
NOREF#482  -  []  29.04 29.16 0 top
NOREF#483  -  []  7.2 58.61 0 top
NOREF#484  -  []  14.56 48.33 0 top
NOREF#485  -  []  36.36 59.21 0 top
NOREF#486  -  []  94.57 25.14 0 top
NOREF#487  -  []  32.7 55.96 90 top
NOREF#488  -  []  74.5 53.22 90 top
NOREF#489  -  []  63.69 45.8 90 top
NOREF#490  -  []  80.45 15.56 0 top
NOREF#491  -  []  87.16 45.5 90 top
NOREF#492  -  []  23.39 65.7 0 top
NOREF#493  -  []  24.97 48.76 90 top
NOREF#494  -  []  32.01 16.4 0 top
NOREF#495  -  []  65.6 16.31 0 top
NOREF#496  -  []  66.48 16.31 90 top
NOREF#497  -  []  86.19 49.9 0 top
NOREF#498  -  []  65.7 16.8 0 top
NOREF#499  -  []  88.69 61.6 0 top
NOREF#500  -  []  61.4 63.41 0 top
NOREF#501  -  []  74.5 54.79 90 top
NOREF#502  -  []  89 12.7 0 top
NOREF#503  -  []  74.62 44.62 90 top
NOREF#504  -  []  38.96 46.46 90 top
NOREF#505  -  []  86.4 29.18 0 top
NOREF#506  -  []  90.1 43.03 90 top
NOREF#507  -  []  20.4 8.73 0 top
NOREF#508  -  []  18.27 55 90 top
NOREF#509  -  []  67.9 53.2 90 top
NOREF#510  -  []  15.6 50.5 90 top
NOREF#511  -  []  77.15 46.14 0 top
NOREF#512  -  []  58.49 39.2 90 top
NOREF#513  -  []  40.25 33.76 90 top
NOREF#514  -  []  20.34 14.25 90 top
NOREF#515  -  []  20.75 24.21 0 top
NOREF#516  -  []  72.88 25.74 90 top
NOREF#517  -  []  60.38 35.89 0 top
NOREF#518  -  []  63.5 55.62 90 top
NOREF#519  -  []  41.73 59.96 90 top
NOREF#520  -  []  24.69 65.7 0 top
NOREF#521  -  []  44.05 55.39 0 top
NOREF#522  -  []  15.6 50.5 90 top
NOREF#523  -  []  35.2 30.81 0 top
NOREF#524  -  []  96.35 16.77 0 top
NOREF#525  -  []  89 12.7 0 top
NOREF#526  -  []  75.52 43.65 90 top
NOREF#527  -  []  36.85 15.46 90 top
NOREF#528  -  []  48.27 38.94 90 top
NOREF#529  -  []  14.56 48.33 0 top
NOREF#530  -  []  33.57 15.06 90 top
NOREF#531  -  []  93.57 43.14 90 top
NOREF#532  -  []  69.96 20.87 90 top
NOREF#533  -  []  79.3 61.79 0 top
NOREF#534  -  []  76.36 29.48 0 top
NOREF#535  -  []  83.3 36.63 90 top
NOREF#536  -  []  31.75 25.35 0 top
NOREF#537  -  []  32.26 17.86 90 top
NOREF#538  -  []  12.66 26.23 0 top
NOREF#539  -  []  10.97 60.18 0 top
NOREF#540  -  []  100.3 13.23 90 top
NOREF#541  -  []  36.77 32.66 0 top
NOREF#542  -  []  29.77 58.61 0 top
NOREF#543  -  []  34.05 60.96 90 top
NOREF#544  -  []  20.83 6.86 0 top
NOREF#545  -  []  104.8 34.6 90 top
NOREF#546  -  []  86.39 57.2 0 top
NOREF#547  -  []  100.1 18.09 0 top
NOREF#548  -  []  37.54 25.56 90 top
NOREF#549  -  []  31.16 17.86 90 top
NOREF#550  -  []  26.1 52.9 90 top
NOREF#551  -  []  34.9 54.5 0 top
NOREF#552  -  []  101.9 26.54 90 top
NOREF#553  -  []  57.35 37.6 90 top
NOREF#554  -  []  19.38 57.8 90 top
NOREF#555  -  []  64.6 22.83 0 top
NOREF#556  -  []  73.16 27.35 90 top
NOREF#557  -  []  48.36 48.33 0 top
NOREF#558  -  []  64.7 56.39 0 top
NOREF#559  -  []  98.75 14.08 0 top
NOREF#560  -  []  41.65 13.96 0 top
NOREF#561  -  []  96.5 26.85 0 top
NOREF#562  -  []  7.4 46.89 0 top
NOREF#563  -  []  38.5 7.74 0 top
NOREF#564  -  []  40.17 23.56 90 top
